# Altium PCB Goldstrike1_Rev01.PcbDoc (part 5 of 7)
Units mm, origin at the board's own origin, x right, y up, seen from the top; angles counter-clockwise.
Board outline 119.3 x 255 mm, 4 copper layers (L1, L2, L3, L4), stack 1.577 mm thick; 722 components, 224 nets, 4532 pads, 1329 vias.
Unrouted connection lines stored in the file: 147.
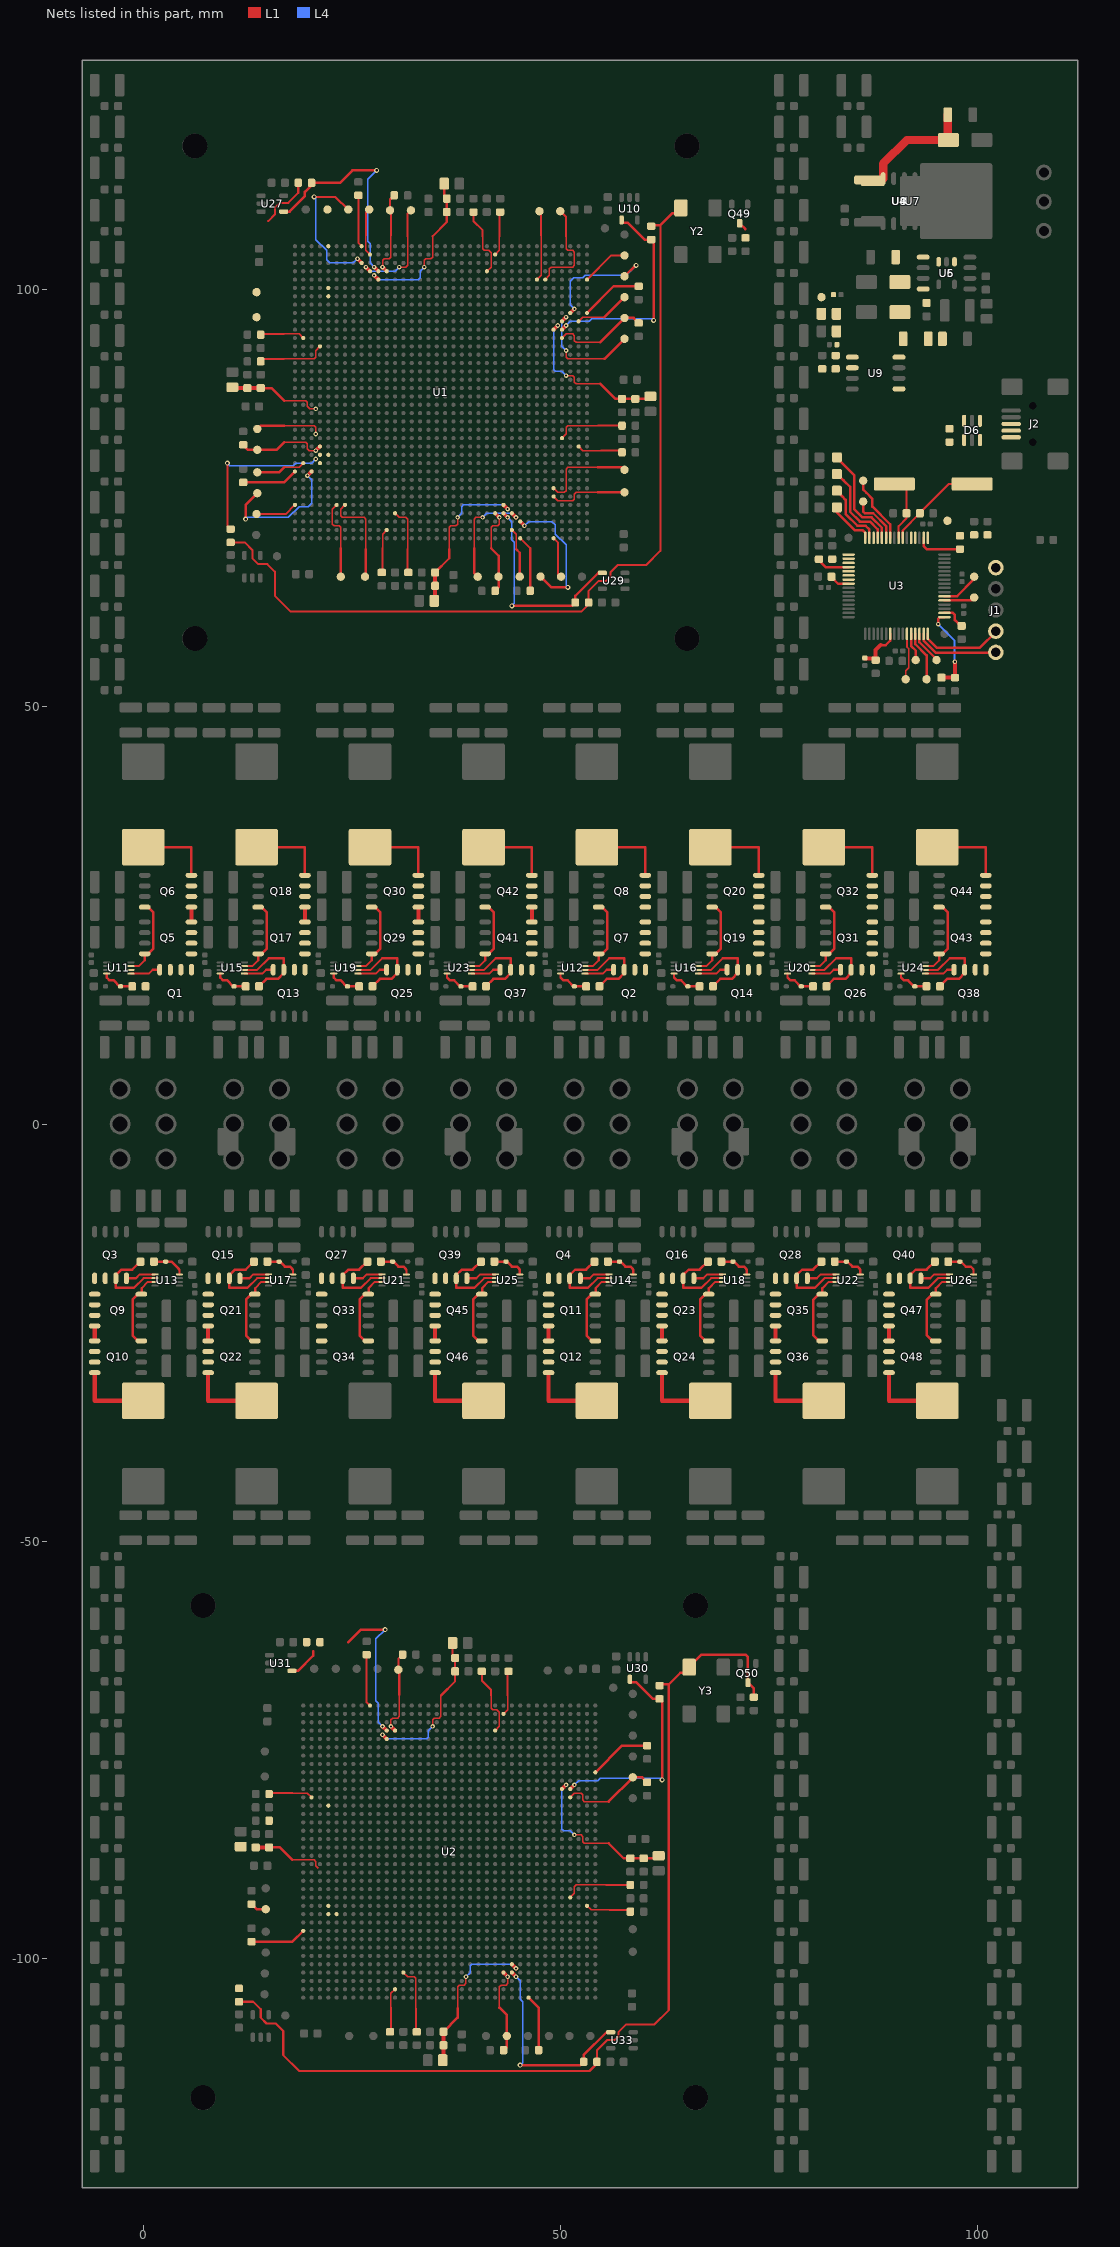
[diagram p7: the nets of this part, all layers, seen from the top]

## Via types
v1: diameter 0.6/0.6/0.6 (per signal layer), hole 0.3, L1 to L4, 672 vias
v2: diameter 0.55/0.55/0.55 (per signal layer), hole 0.25, L1 to L4, 657 vias

## Nets (pads, with @x,y where several pads share a name; then routed paths per layer and width w, separated by ;. In a path a pad name is that pad's centre, name@x,y a point inside that pad or via, vN(x,y) a via of type N, cw(c..) or ccw(c..) an arc to the next point about the centre after c; other vN are vias at no path point) (continued)
$1I69\$1N3734: R32.2 TP83.1 U2.AN25 | length 10.3
  L1 w0.15: v2(29.7,-72.2) 29.7,-71.4 29.9,-71.2 30.5,-71.2 30.7,-71 30.7,-68.4
  L1 w0.25: 30.7,-68.4 30.7,-65.504 30.648,-65.452 30.648,-65.448 TP83.1@30.6,-65.4 30.6,-64.1 R32.2@31.1,-63.6
  L1 w0.45: v2(29.7,-72.2) U2.AN25@30.2,-72.7
$1I69\$1N3735: R33.2 TP84.1 U2.M33 | length 1.9
  L1 w0.3: R33.2@13,-93.5 13.6,-94.1 TP84.1@14.7,-94.1
$1I69\$1N3736: R34.2 TP85.1 U2.D12 | length 10.8
  L1 w0.15: 42.7,-105.9 42.7,-103.4 42.9,-103.2 43.5,-103.2 43.7,-103 v2(43.7,-102.2)
  L1 w0.3: 42.7,-105.9 43.6,-106.8 TP85.1@43.6,-109.3 43.6,-110.6 R34.2@43.2,-111
  L1 w0.45: U2.D12@43.2,-101.7 v2(43.7,-102.2)
$1I69\$1N3763: R31.2 TP82.1 U2.AE4 | length 11.6
  L1 w0.15: U2.AE4@51.2,-80.7 51.7,-80.2 52.5,-80.2 52.7,-80.4 52.7,-81 52.9,-81.2 55.8,-81.2
  L1 w0.3: 55.8,-81.2 TP82.1@58.7,-78.3 59.8,-78.3 R31.2@60.4,-78.9
$1I69\ANAVDD_PLL_5: C156.1 C157.1 FB6.2 U2.AF5 | length 19.7
  L1 w0.15: v2(51.7,-85.2) 52.5,-85.2 52.7,-85.4 52.7,-86 52.9,-86.2 55.8,-86.2
  L1 w0.3: 55.8,-86.2 57.6,-88 C156.1@58.4,-88 C157.1@60,-88 61.5,-88 FB6.2@61.8,-87.7
  L1 w0.45: U2.AF5@50.2,-79.7 v2(50.7,-79.2)
  L4 w0.15: v2(50.7,-79.2) 50.2,-79.7 50.2,-84.5 50.4,-84.7 51.2,-84.7 v2(51.7,-85.2)
$1I69\ANAVDD_PLL_6: C158.1 C159.1 FB8.2 U2.AM26 | length 19.6
  L1 w0.15: v2(34.7,-72.2) 34.7,-71.4 34.9,-71.2 35.5,-71.2 35.7,-71 35.7,-68.5
  L1 w0.25: 35.7,-68.5 37.4,-66.8 C159.1@37.4,-65.6 C158.1@37.4,-64 37.1,-63.7 FB8.2@37.1,-62.2
  L1 w0.45: v2(28.7,-73.2) U2.AM26@29.2,-73.7
  L4 w0.15: v2(28.7,-73.2) 29.2,-73.7 34,-73.7 34.2,-73.5 34.2,-72.7 v2(34.7,-72.2)
$1I69\ANAVDD_PLL_7: C160.1 C161.1 FB7.2 U2.L32 | length 8.8
  L1 w0.15: 17.9,-88.2 20.5,-88.2 20.7,-88.4 20.7,-88.9 21,-89.2
  L1 w0.3: C160.1@15.1,-86.7 16.4,-86.7 17.9,-88.2
  L1 w0.5: C161.1@13.5,-86.7 C160.1@15.1,-86.7
$1I69\ANAVDD_PLL_8: C162.1 C163.1 FB9.2 U2.E11 | length 19.6
  L1 w0.15: 37.7,-106 37.7,-103.4 37.9,-103.2 38.5,-103.2 38.7,-103 v2(38.7,-102.2)
  L1 w0.3: C162.1@36,-108.8 37.7,-107.1 37.7,-106
  L1 w0.45: U2.E11@44.2,-100.7 v2(44.7,-101.2)
  L1 w0.5: FB9.2@35.9,-112.2 36,-112.2 C163.1@36,-110.4 C162.1@36,-108.8
  L4 w0.15: v2(38.7,-102.2) 39.2,-101.7 39.2,-100.9 39.4,-100.7 44.2,-100.7 v2(44.7,-101.2)
$1I69\JTG_TRST_L_21: R1.1 U2.AR12 | length 5.4
  L1 w0.15: U2.AR12@43.2,-70.7 43.7,-70.2 43.7,-68.5
  L1 w0.25: 43.7,-68.5 43.7,-65.6 R1.1@43.8,-65.6
$1I69\JTG_TRST_L_22: R48.1 U2.AE35 | length 5.5
  L1 w0.15: 17.9,-80.2 19.7,-80.2 U2.AE35@20.2,-80.7
  L1 w0.25: R48.1@15.1,-80.3 15,-80.2 17.9,-80.2
$1I69\JTG_TRST_L_23: R47.1 U2.B25 | length 5.7
  L1 w0.15: 29.7,-105.9 29.7,-104.2 U2.B25@30.2,-103.7
  L1 w0.25: R47.1@29.6,-108.8 29.7,-109 29.7,-105.9
$1I69\JTG_TRST_L_24: R49.1 U2.M2 | length 5.7
  L1 w0.15: U2.M2@53.2,-93.7 53.7,-94.2 55.9,-94.2
  L1 w0.25: 55.9,-94.2 58.5,-94.2 R49.1@58.4,-94.4
$1I69\PLL_BYPASS_IN_21: R2.1 U2.AH1 | length 7.5
  L1 w0.3: U2.AH1@54.2,-77.7 57.4,-74.5 R2.1@60.4,-74.5
$1I69\PLL_BYPASS_IN_22: R41.1 U2.AT28 | length 6.3
  L1 w0.25: R41.1@26.8,-63.6 26.8,-69.3 U2.AT28@27.2,-69.7
$1I69\PLL_BYPASS_IN_23: R43.1 U2.J36 | length 6.7
  L1 w0.3: R43.1@13,-98 17.9,-98 U2.J36@19.2,-96.7
$1I69\PLL_BYPASS_IN_24: R45.1 U2.A9 | length 6.8
  L1 w0.3: U2.A9@46.2,-104.7 47.4,-105.9 R45.1@47.4,-111
$1I69\PLL_OSC_CLK_2: Q50.3 R55.1 R56.2 R57.1 R58.1 R59.1 Y3.3 | length 118.2
  L1 w0.25: R58.1@11.5,-105.2 13.2,-105.2 14.1,-106.1 14.1,-107.1 14.8,-107.8 15.9,-107.8 16.8,-108.7 16.8,-111.6 18.7,-113.5 53.5,-113.5 54.4,-112.6 54.4,-111 55.6,-109.8 56.5,-109.8 57,-109.3 57,-108.8 57.9,-107.9 61.3,-107.9 63,-106.2 63,-67.172
  L1 w0.3: R55.1@61.9,-67.3 62.028,-67.172 63,-67.172 64.405,-65.767 65.45,-65.767 Y3.3@65.45,-65.1 66.95,-63.6 72.2,-63.6 72.5,-63.9 Q50.3@72.5,-66.95 73.2,-67.65 R56.2@73.2,-68.7
$1I69\PLL_REF_CLK_21: R55.2 U2.AF4 U30.4 | length 26.2
  L1 w0.3: U30.4@58.35,-66.55 58.35,-66.9 59.1,-66.9 61.1,-68.9 R55.2@61.9,-68.9 62.2,-69.2 v1(62.2,-78.6)
  L1 w0.45: U2.AF4@51.2,-79.7 v2(51.7,-79.2)
  L4 w0.15: v2(51.7,-79.2) 52.2,-78.7 54.5,-78.7 54.8,-78.4 62,-78.4 v1(62.2,-78.6)
$1I69\PLL_REF_CLK_22: R57.2 U2.AN26 U31.4 | length 21.9
  L1 w0.3: U31.4@17.85,-65.55 18.55,-65.55 20.4,-63.7 20.4,-63.2 ; 24.598,-62.1 24.599,-62.099 24.601,-62.099 26.099,-60.601 v1(29,-60.6) v1(29,-60.6)
  L1 w0.45: v2(28.7,-72.2) U2.AN26@29.2,-72.7
  L4 w0.15: v2(28.7,-72.2) 28.2,-71.7 28.2,-69.4 27.9,-69.1 27.9,-61.7 v1(29,-60.6)
$1I69\PLL_REF_CLK_23: R58.2 U2.L33
$1I69\PLL_REF_CLK_24: R59.2 U2.D11 U33.4 | length 24.7
  L1 w0.3: v1(45.2,-112.8) 52.4,-112.8 R59.2@52.8,-112.4 52.8,-111.6 55.55,-108.85 U33.4@56.05,-108.85
  L1 w0.45: U2.D11@44.2,-101.7 v2(44.7,-102.2)
  L4 w0.15: v2(44.7,-102.2) 45.2,-102.7 45.2,-104.9 45.5,-105.2 45.5,-112.495 v1(45.2,-112.8)
$1I69\TEST_MODE_21: R23.1 U2.AN13 | length 8.5
  L1 w0.15: 41.7,-68.5 41.7,-70 41.9,-70.2 42.4,-70.2 42.7,-70.5 42.7,-72.2 U2.AN13@42.2,-72.7
  L1 w0.25: R23.1@40.6,-65.6 40.6,-66.7 41.7,-67.8 41.7,-68.5
$1I69\TEST_MODE_22: R42.1 U2.AD33
$1I69\TEST_MODE_23: R44.1 U2.D24 | length 8.6
  L1 w0.15: U2.D24@31.2,-101.7 31.7,-102.2 32.5,-102.2 32.7,-102.4 32.7,-106
  L1 w0.25: 32.7,-106 32.7,-109 R44.1@32.8,-108.8
$1I69\TEST_MODE_24: R46.1 U2.N4 | length 8.3
  L1 w0.15: U2.N4@51.2,-92.7 51.7,-92.2 51.7,-91.4 51.9,-91.2 55.5,-91.2
  L1 w0.25: 55.5,-91.2 R46.1@58.4,-91.2
$1I79\$1N2693: TP6.1 U3.13 | length 6
  L1 w0.3: U3.13@92.55,58.75 92.55,57.512 93.9,56.162 TP6.1@93.9,53.3
$1I79\$1N2694: TP7.1 U3.14 | length 4
  L1 w0.3: U3.14@93.05,58.75 93.05,57.735 95.142,55.642 TP7.1@95.1,55.6
$1I79\$1N2711: TP10.1 U3.21 | length 3.7
  L1 w0.3: U3.21@96.05,62.75 99.3,62.75 99.3,62.8 TP10.1@99.6,63.1
$1I79\$1N2712: TP11.1 U3.22 | length 4.7
  L1 w0.3: U3.22@96.05,63.25 97.55,63.25 99.6,65.3 TP11.1@99.6,65.6
$1I79\$1N2761: TP12.1 U3.43 | length 6.1
  L1 w0.3: TP12.1@86.3,74.6 86.3,73.4 86.5,73.2 87.514,73.2 89.05,71.664 U3.43@89.05,70.25
$1I79\$1N2762: TP13.1 U3.42 | length 8.2
  L1 w0.3: TP13.1@86.3,77.1 86.3,76.041 86.691,75.65 87.421,74.919 87.421,74 89.55,71.871 U3.42@89.55,70.25
$1I79\$1N2845: TP21.1 U3.33
$1I79\$1N2890: R16.2 R17.1 U9.2
$1I79\$1N2899: TP3.1 U3.11 | length 5.7
  L1 w0.2: TP3.1@91.4,53.3 91.4,54.321 91.75,54.671 91.75,56.958 91.55,57.158 U3.11@91.55,58.75
$1I79\$1N2900: TP5.1 U3.12 | length 3.4
  L1 w0.3: U3.12@92.05,58.75 92.05,57.297 92.6,56.747 TP5.1@92.6,55.6
$1I79\D+: D6.1 J2.3 U3.37
$1I79\D-: D6.3 J2.2 U3.36
$1I79\FB: C3.1 R6.1 U3.17 | length 10.4
  L1 w0.3: v2(95.3,59.9) 95.275,59.925 95.275,60.525 95.5,60.75 U3.17@96.05,60.75
  L1 w0.5: C3.1@95.7,53.5 R6.1@97.3,53.5 v2(97.3,55.4)
  L4 w0.25: v2(95.3,59.9) 97.229,57.971 97.229,55.4 v2(97.3,55.4)
$1I79\GREEN: D2.2 U3.47 | length 7.9
  L1 w0.3: D2.2@83.15,75.9 83.125,75.9 83.125,75.875 83.354,75.646 83.75,75.25 84.2,74.8 84.2,73.1 85.6,71.7 86.6,71.7 87.05,71.25 U3.47@87.05,70.25
$1I79\LDO3.3V-5.0V: R14.1 R15.1 U9.5 U9.8
$1I79\LDO5.0V: C15.1 D5.1 D7.2 R11.1 R12.2 R15.2 U5.1 U5.3 U6.5 U6.8
$1I79\LM12V: D8.1 R13.1 U4.8 U7.1 U8.1 | length 16
  L1 w0.3: U7.1@87.1,113.14 87.2,113.14 U8.1@87.45,112.89
  L1 w1: U8.1@87.2,113.14 88.265,113.14 88.4,113.005 U4.8@88.695,113.3 88.7,113.305 88.7,115.1 91.53,117.93 D8.1@96.524,117.93 96.443,118.011 R13.1@96.443,120.966
$1I79\MAIN_OSC_IN: C10.1 U3.39 Y1.1 | length 11.5
  L1 w0.25: U3.39@91.05,70.25 91.05,71.125 93.1,73.175 93.1,73.225 96.575,76.7 Y1.1@99.35,76.7
$1I79\MAIN_OSC_OUT: C11.1 U3.40 Y1.2 | length 8.3
  L1 w0.25: Y1.2@90.05,76.7 91.5,76.7 C11.1@91.5,73.2 91.5,72.6 90.55,71.65 U3.40@90.55,70.25
$1I79\MCLR: C5.1 J1.1 R9.1 U3.7 | length 5.6
  L1 w0.3: 88.4,57.4 89.007,57.4 89.55,57.943 U3.7@89.55,58.75
  L1 w0.5: C5.1@86.5,55.85 86.5,55.792 R9.1@87.8,55.792 ; R9.1@87.8,55.6 R9.1@87.8,55.792 ; 88.4,57.4 87.8,56.8 R9.1@87.8,55.792
$1I79\MCU5.0V: R10.2 U3.34 | length 5.5
  L1 w0.3: U3.34@93.55,70.25 93.55,69.25 93.9,68.9 R10.2@97.9,68.9
$1I79\MCU_REF_CLK_1: R7.1 U3.52 U3.53 U3.54 U3.55 | length 4
  L1 w0.3: R7.1@81,67.7 81,67.55 81.8,66.75 U3.52@84.55,66.75
$1I79\MCU_REF_CLK_2: R18.1 U3.46 U3.49 U3.50 U3.51
$1I79\MEAS12: C1.1 R4.2 R5.2 U3.18 | length 3.2
  L1 w0.3: U3.18@96.05,61.25 97.05,61.25 97.287,61.013 97.287,60.388 98.037,59.638 98.075,59.6 C1.1@98.1,59.7
$1I79\ORANGE: D4.2 U3.45 | length 10.5
  L1 w0.3: D4.2@83.15,77.9 83.18,77.9 83.18,77.93 83.968,77.142 84.75,76.36 84.75,75.25 84.75,73.35 85.9,72.2 87.1,72.2 88.05,71.25 U3.45@88.05,70.25
$1I79\PGC: J1.5 U3.15 | length 10.1
  L1 w0.3: U3.15@93.55,58.75 93.55,57.943 94.993,56.5 102.18,56.5 J1.5@102.2,56.52
$1I79\PGD: J1.4 U3.16 | length 10
  L1 w0.3: U3.16@94.05,58.75 94.05,58.15 95.1,57.1 100.3,57.1 102.2,59 J1.4@102.2,59.06
$1I79\PLL_SUP: C16.1 C17.1 FB5.1 R16.1 U9.1
$1I79\RED: D1.2 U3.48 | length 5.6
  L1 w0.3: D1.2@83.15,73.9 83.15,73.3 85.317,71.133 86.267,71.133 86.55,70.85 U3.48@86.55,70.25
$1I79\USB5.0V: D6.4 D6.6 J2.1 R10.1 R11.2
$1I79\VCAP: C2.1 U3.56 | length 2.4
  L1 w0.3: C2.1@82.5,65.6 82.5,65.55 83.3,64.75 U3.56@84.55,64.75
$1I79\VDD_PLL: C18.1 FB5.2 TP2.1
$1I79\YELLOW: D3.2 U3.44 | length 12.6
  L1 w0.3: D3.2@83.15,79.9 83.115,79.9 83.115,79.865 83.902,79.077 85.25,77.73 85.25,75.25 85.25,73.65 86.2,72.7 87.307,72.7 88.55,71.457 U3.44@88.55,70.25
$1I84\BOOT1: C28.1 D10.1 U11.8 | length 4
  L1 w0.25: -4.35,17.55 U11.8@-4.35,18.025
  L1 w0.3: -4.35,17.55 -4,17.2 -3.5,17.2 -2.8,16.5 D10.1@-2.7,16.5 C28.1@-1.3,16.5
$1I84\BOOT2: C60.1 D14.1 U15.8 | length 4
  L1 w0.25: 9.25,17.55 U15.8@9.25,18.025
  L1 w0.3: 9.25,17.55 9.6,17.2 10.1,17.2 10.8,16.5 D14.1@10.9,16.5 C60.1@12.3,16.5
$1I84\BOOT3: C92.1 D18.1 U19.8 | length 4
  L1 w0.25: 22.85,17.55 U19.8@22.85,18.025
  L1 w0.3: 22.85,17.55 23.2,17.2 23.7,17.2 24.4,16.5 D18.1@24.5,16.5 C92.1@25.9,16.5
$1I84\BOOT4: C124.1 D22.1 U23.8 | length 4
  L1 w0.25: 36.45,17.55 U23.8@36.45,18.025
  L1 w0.3: 36.45,17.55 36.8,17.2 37.3,17.2 38,16.5 D22.1@38.1,16.5 C124.1@39.5,16.5
$1I84\BOOT5: C29.1 D11.1 U12.8 | length 4
  L1 w0.25: 50.05,17.55 U12.8@50.05,18.025
  L1 w0.3: 50.05,17.55 50.4,17.2 50.9,17.2 51.6,16.5 D11.1@51.7,16.5 C29.1@53.1,16.5
$1I84\BOOT6: C61.1 D15.1 U16.8 | length 4
  L1 w0.25: 63.65,17.55 U16.8@63.65,18.025
  L1 w0.3: 63.65,17.55 64,17.2 64.5,17.2 65.2,16.5 D15.1@65.3,16.5 C61.1@66.7,16.5
$1I84\BOOT7: C93.1 D19.1 U20.8 | length 4
  L1 w0.25: 77.25,17.55 U20.8@77.25,18.025
  L1 w0.3: 77.25,17.55 77.6,17.2 78.1,17.2 78.8,16.5 D19.1@78.9,16.5 C93.1@80.3,16.5
$1I84\BOOT8: C125.1 D23.1 U24.8 | length 4
  L1 w0.25: 90.85,17.55 U24.8@90.85,18.025
  L1 w0.3: 90.85,17.55 91.2,17.2 91.7,17.2 92.4,16.5 D23.1@92.5,16.5 C125.1@93.9,16.5
$1I84\BOOT9: C30.1 D12.1 U13.8 | length 4
  L1 w0.25: 4.3,-17.4 4.35,-17.45 U13.8@4.35,-18.025
  L1 w0.3: C30.1@1.3,-16.5 D12.1@2.7,-16.5 3.4,-16.5 4.3,-17.4
$1I84\BOOT10: C62.1 D16.1 U17.8 | length 4
  L1 w0.25: 17.9,-17.4 17.95,-17.45 U17.8@17.95,-18.025
  L1 w0.3: C62.1@14.9,-16.5 D16.1@16.3,-16.5 16.4,-16.5 17,-17.1 17.6,-17.1 17.9,-17.4
$1I84\BOOT11: C94.1 D20.1 U21.8 | length 4
  L1 w0.25: 31.5,-17.4 31.55,-17.45 U21.8@31.55,-18.025
  L1 w0.3: C94.1@28.5,-16.5 D20.1@29.9,-16.5 30,-16.5 30.6,-17.1 31.2,-17.1 31.5,-17.4
$1I84\BOOT12: C126.1 D24.1 U25.8 | length 4
  L1 w0.25: 45.1,-17.4 45.15,-17.45 U25.8@45.15,-18.025
  L1 w0.3: C126.1@42.1,-16.5 D24.1@43.5,-16.5 43.6,-16.5 44.2,-17.1 44.8,-17.1 45.1,-17.4
$1I84\BOOT13: C31.1 D13.1 U14.8 | length 4
  L1 w0.25: 58.7,-17.4 58.75,-17.45 U14.8@58.75,-18.025
  L1 w0.3: C31.1@55.7,-16.5 D13.1@57.1,-16.5 57.2,-16.5 57.8,-17.1 58.4,-17.1 58.7,-17.4
$1I84\BOOT14: C63.1 D17.1 U18.8 | length 4
  L1 w0.25: 72.3,-17.4 72.35,-17.45 U18.8@72.35,-18.025
  L1 w0.3: C63.1@69.3,-16.5 D17.1@70.7,-16.5 70.8,-16.5 71.4,-17.1 72,-17.1 72.3,-17.4
$1I84\BOOT15: C95.1 D21.1 U22.8 | length 4
  L1 w0.25: 85.9,-17.4 85.95,-17.45 U22.8@85.95,-18.025
  L1 w0.3: C95.1@82.9,-16.5 D21.1@84.3,-16.5 84.4,-16.5 85,-17.1 85.6,-17.1 85.9,-17.4
$1I84\BOOT16: C127.1 D25.1 U26.8 | length 4
  L1 w0.25: 99.5,-17.4 99.55,-17.45 U26.8@99.55,-18.025
  L1 w0.3: C127.1@96.5,-16.5 D25.1@97.9,-16.5 98,-16.5 98.6,-17.1 99.2,-17.1 99.5,-17.4
$1I84\HO1: Q1.4 U11.1 | length 3.6
  L1 w0.25: U11.1@-1.45,18.025 0.7,18.025 1.175,18.5
  L1 w0.3: 1.175,18.5 Q1.4@1.995,18.5
$1I84\HO2: Q13.4 U15.1 | length 3.6
  L1 w0.25: U15.1@12.15,18.025 14.3,18.025 14.775,18.5
  L1 w0.3: 14.775,18.5 Q13.4@15.595,18.5
$1I84\HO3: Q25.4 U19.1 | length 3.6
  L1 w0.25: U19.1@25.75,18.025 27.9,18.025 28.375,18.5
  L1 w0.3: 28.375,18.5 Q25.4@29.195,18.5
$1I84\HO4: Q37.4 U23.1 | length 3.6
  L1 w0.25: U23.1@39.35,18.025 41.5,18.025 41.975,18.5
  L1 w0.3: 41.975,18.5 Q37.4@42.795,18.5
$1I84\HO5: Q2.4 U12.1 | length 3.6
  L1 w0.25: U12.1@52.95,18.025 55.1,18.025 55.575,18.5
  L1 w0.3: 55.575,18.5 Q2.4@56.395,18.5
$1I84\HO6: Q14.4 U16.1 | length 3.6
  L1 w0.25: U16.1@66.55,18.025 68.7,18.025 69.175,18.5
  L1 w0.3: 69.175,18.5 Q14.4@69.995,18.5
$1I84\HO7: Q26.4 U20.1 | length 3.6
  L1 w0.25: U20.1@80.15,18.025 82.3,18.025 82.775,18.5
  L1 w0.3: 82.775,18.5 Q26.4@83.595,18.5
$1I84\HO8: Q38.4 U24.1 | length 3.6
  L1 w0.25: U24.1@93.75,18.025 95.9,18.025 96.375,18.5
  L1 w0.3: 96.375,18.5 Q38.4@97.195,18.5
$1I84\HO9: Q3.4 U13.1 | length 3.6
  L1 w0.25: -0.85,-18.5 -0.375,-18.025 U13.1@1.45,-18.025
  L1 w0.3: Q3.4@-1.995,-18.5 -0.85,-18.5
$1I84\HO10: Q15.4 U17.1 | length 3.6
  L1 w0.25: 12.75,-18.5 13.225,-18.025 U17.1@15.05,-18.025
  L1 w0.3: Q15.4@11.605,-18.5 12.75,-18.5
$1I84\HO11: Q27.4 U21.1 | length 3.6
  L1 w0.25: 26.35,-18.5 26.825,-18.025 U21.1@28.65,-18.025
  L1 w0.3: Q27.4@25.205,-18.5 26.35,-18.5
$1I84\HO12: Q39.4 U25.1 | length 3.6
  L1 w0.25: 39.95,-18.5 40.425,-18.025 U25.1@42.25,-18.025
  L1 w0.3: Q39.4@38.805,-18.5 39.95,-18.5
$1I84\HO13: Q4.4 U14.1 | length 3.6
  L1 w0.25: 53.55,-18.5 54.025,-18.025 U14.1@55.85,-18.025
  L1 w0.3: Q4.4@52.405,-18.5 53.55,-18.5
$1I84\HO14: Q16.4 U18.1 | length 3.6
  L1 w0.25: 67.15,-18.5 67.625,-18.025 U18.1@69.45,-18.025
  L1 w0.3: Q16.4@66.005,-18.5 67.15,-18.5
$1I84\HO15: Q28.4 U22.1 | length 3.6
  L1 w0.25: 80.75,-18.5 81.225,-18.025 U22.1@83.05,-18.025
  L1 w0.3: Q28.4@79.605,-18.5 80.75,-18.5
$1I84\HO16: Q40.4 U26.1 | length 3.6
  L1 w0.25: 94.35,-18.5 94.825,-18.025 U26.1@96.65,-18.025
  L1 w0.3: Q40.4@93.205,-18.5 94.35,-18.5
$1I84\LO1: Q5.4 Q6.4 U11.3 | length 9.6
  L1 w0.25: U11.3@-1.45,18.925 -0.5,18.925 0.2,19.625
  L1 w0.3: 0.2,19.625 Q5.4@0.2,20.395 0.6,20.395 1.25,21.045 1.25,25.345 0.6,25.995 Q6.4@0.2,25.995
$1I84\LO2: Q17.4 Q18.4 U15.3 | length 9.6
  L1 w0.25: U15.3@12.15,18.925 13.1,18.925 13.8,19.625
  L1 w0.3: 13.8,19.625 Q17.4@13.8,20.395 14.2,20.395 14.85,21.045 14.85,25.345 14.2,25.995 Q18.4@13.8,25.995
$1I84\LO3: Q29.4 Q30.4 U19.3 | length 9.6
  L1 w0.25: U19.3@25.75,18.925 26.7,18.925 27.4,19.625
  L1 w0.3: 27.4,19.625 Q29.4@27.4,20.395 27.8,20.395 28.45,21.045 28.45,25.345 27.8,25.995 Q30.4@27.4,25.995
$1I84\LO4: Q41.4 Q42.4 U23.3 | length 9.6
  L1 w0.25: U23.3@39.35,18.925 40.3,18.925 41,19.625
  L1 w0.3: 41,19.625 Q41.4@41,20.395 41.4,20.395 42.05,21.045 42.05,25.345 41.4,25.995 Q42.4@41,25.995
$1I84\LO5: Q7.4 Q8.4 U12.3 | length 9.6
  L1 w0.25: U12.3@52.95,18.925 53.9,18.925 54.6,19.625
  L1 w0.3: 54.6,19.625 Q7.4@54.6,20.395 55,20.395 55.65,21.045 55.65,25.345 55,25.995 Q8.4@54.6,25.995
$1I84\LO6: Q19.4 Q20.4 U16.3 | length 9.6
  L1 w0.25: U16.3@66.55,18.925 67.5,18.925 68.2,19.625
  L1 w0.3: 68.2,19.625 Q19.4@68.2,20.395 68.6,20.395 69.25,21.045 69.25,25.345 68.6,25.995 Q20.4@68.2,25.995
$1I84\LO7: Q31.4 Q32.4 U20.3 | length 9.6
  L1 w0.25: U20.3@80.15,18.925 81.1,18.925 81.8,19.625
  L1 w0.3: 81.8,19.625 Q31.4@81.8,20.395 82.2,20.395 82.85,21.045 82.85,25.345 82.2,25.995 Q32.4@81.8,25.995
$1I84\LO8: Q43.4 Q44.4 U24.3 | length 9.6
  L1 w0.25: U24.3@93.75,18.925 94.7,18.925 95.4,19.625
  L1 w0.3: 95.4,19.625 Q43.4@95.4,20.395 95.8,20.395 96.45,21.045 96.45,25.345 95.8,25.995 Q44.4@95.4,25.995
$1I84\LO9: Q9.4 Q10.4 U13.3 | length 9.6
  L1 w0.25: -0.175,-19.675 0.575,-18.925 U13.3@1.45,-18.925
  L1 w0.3: Q10.4@-0.2,-25.995 -0.6,-25.995 -1.25,-25.345 -1.25,-21.045 -0.6,-20.395 Q9.4@-0.2,-20.395 -0.175,-20.37 -0.175,-19.675
$1I84\LO10: Q21.4 Q22.4 U17.3 | length 9.6
  L1 w0.25: 13.425,-19.675 14.175,-18.925 U17.3@15.05,-18.925
  L1 w0.3: Q22.4@13.4,-25.995 13,-25.995 12.35,-25.345 12.35,-21.045 13,-20.395 Q21.4@13.4,-20.395 13.425,-20.37 13.425,-19.675
$1I84\LO11: Q33.4 Q34.4 U21.3 | length 9.6
  L1 w0.25: 27.025,-19.675 27.775,-18.925 U21.3@28.65,-18.925
  L1 w0.3: Q34.4@27,-25.995 26.6,-25.995 25.95,-25.345 25.95,-21.045 26.6,-20.395 Q33.4@27,-20.395 27.025,-20.37 27.025,-19.675
$1I84\LO12: Q45.4 Q46.4 U25.3 | length 9.6
  L1 w0.25: 40.625,-19.675 41.375,-18.925 U25.3@42.25,-18.925
  L1 w0.3: Q46.4@40.6,-25.995 40.2,-25.995 39.55,-25.345 39.55,-21.045 40.2,-20.395 Q45.4@40.6,-20.395 40.625,-20.37 40.625,-19.675
$1I84\LO13: Q11.4 Q12.4 U14.3 | length 9.6
  L1 w0.25: 54.225,-19.675 54.975,-18.925 U14.3@55.85,-18.925
  L1 w0.3: Q12.4@54.2,-25.995 53.8,-25.995 53.15,-25.345 53.15,-21.045 53.8,-20.395 Q11.4@54.2,-20.395 54.225,-20.37 54.225,-19.675
$1I84\LO14: Q23.4 Q24.4 U18.3 | length 9.6
  L1 w0.25: 67.825,-19.675 68.575,-18.925 U18.3@69.45,-18.925
  L1 w0.3: Q24.4@67.8,-25.995 67.4,-25.995 66.75,-25.345 66.75,-21.045 67.4,-20.395 Q23.4@67.8,-20.395 67.825,-20.37 67.825,-19.675
$1I84\LO15: Q35.4 Q36.4 U22.3 | length 9.6
  L1 w0.25: 81.425,-19.675 82.175,-18.925 U22.3@83.05,-18.925
  L1 w0.3: Q36.4@81.4,-25.995 81,-25.995 80.35,-25.345 80.35,-21.045 81,-20.395 Q35.4@81.4,-20.395 81.425,-20.37 81.425,-19.675
$1I84\LO16: Q47.4 Q48.4 U26.3 | length 9.6
  L1 w0.25: 95.025,-19.675 95.775,-18.925 U26.3@96.65,-18.925
  L1 w0.3: Q48.4@95,-25.995 94.6,-25.995 93.95,-25.345 93.95,-21.045 94.6,-20.395 Q47.4@95,-20.395 95.025,-20.37 95.025,-19.675
$1I84\SWN1: C28.2 L1.1 Q1.1 Q1.2 Q1.3 Q5.5 Q5.6 Q5.7 Q5.8 Q6.5 Q6.6 Q6.7 Q6.8 U11.2 | length 11
  L1 w0.3: L1.1@0,33.175 5.8,33.175 Q6.8@5.8,29.805
  L1 w0.5: Q5.8@5.8,24.205 Q6.5@5.8,25.995
$1I84\SWN2: C60.2 L5.1 Q13.1 Q13.2 Q13.3 Q17.5 Q17.6 Q17.7 Q17.8 Q18.5 Q18.6 Q18.7 Q18.8 U15.2 | length 21.7
  L1 w0.25: U15.2@12.15,18.475 13.675,18.475 15.087,19.887
  L1 w0.3: L5.1@13.6,33.175 19.4,33.175 Q18.8@19.4,29.805 ; C60.2@13.9,16.5 13.9,16.525 14.775,17.4 16.165,17.4 16.865,18.1 Q13.3@16.865,18.5 16.865,19.887 15.087,19.887
  L1 w0.5: Q17.8@19.4,24.205 Q18.5@19.4,25.995
$1I84\SWN3: C92.2 L9.1 Q25.1 Q25.2 Q25.3 Q29.5 Q29.6 Q29.7 Q29.8 Q30.5 Q30.6 Q30.7 Q30.8 U19.2 | length 21.7
  L1 w0.25: U19.2@25.75,18.475 27.275,18.475 28.687,19.887
  L1 w0.3: L9.1@27.2,33.175 33,33.175 Q30.8@33,29.805 ; C92.2@27.5,16.5 27.5,16.525 28.375,17.4 29.765,17.4 30.465,18.1 Q25.3@30.465,18.5 30.465,19.887 28.687,19.887
  L1 w0.5: Q29.8@33,24.205 Q30.5@33,25.995
$1I84\SWN4: C124.2 L13.1 Q37.1 Q37.2 Q37.3 Q41.5 Q41.6 Q41.7 Q41.8 Q42.5 Q42.6 Q42.7 Q42.8 U23.2 | length 21.7
  L1 w0.25: U23.2@39.35,18.475 40.875,18.475 42.287,19.887
  L1 w0.3: L13.1@40.8,33.175 46.6,33.175 Q42.8@46.6,29.805 ; C124.2@41.1,16.5 41.1,16.525 41.975,17.4 43.365,17.4 44.065,18.1 Q37.3@44.065,18.5 44.065,19.887 42.287,19.887
  L1 w0.5: Q41.8@46.6,24.205 Q42.5@46.6,25.995
$1I84\SWN5: C29.2 L2.1 Q2.1 Q2.2 Q2.3 Q7.5 Q7.6 Q7.7 Q7.8 Q8.5 Q8.6 Q8.7 Q8.8 U12.2 | length 19.9
  L1 w0.25: U12.2@52.95,18.475 54.475,18.475 55.887,19.887
  L1 w0.3: L2.1@54.4,33.175 60.2,33.175 Q8.8@60.2,29.805 ; C29.2@54.7,16.5 54.7,16.525 55.575,17.4 56.965,17.4 57.665,18.1 Q2.3@57.665,18.5 57.665,19.887 55.887,19.887
$1I84\SWN6: C61.2 L6.1 Q14.1 Q14.2 Q14.3 Q19.5 Q19.6 Q19.7 Q19.8 Q20.5 Q20.6 Q20.7 Q20.8 U16.2 | length 19.9
  L1 w0.25: U16.2@66.55,18.475 68.075,18.475 69.487,19.887
  L1 w0.3: L6.1@68,33.175 73.8,33.175 Q20.8@73.8,29.805 ; C61.2@68.3,16.5 68.3,16.525 69.175,17.4 70.565,17.4 71.265,18.1 Q14.3@71.265,18.5 71.265,19.887 69.487,19.887
$1I84\SWN7: C93.2 L10.1 Q26.1 Q26.2 Q26.3 Q31.5 Q31.6 Q31.7 Q31.8 Q32.5 Q32.6 Q32.7 Q32.8 U20.2 | length 19.9
  L1 w0.25: U20.2@80.15,18.475 81.675,18.475 83.087,19.887
  L1 w0.3: L10.1@81.6,33.175 87.4,33.175 Q32.8@87.4,29.805 ; C93.2@81.9,16.5 81.9,16.525 82.775,17.4 84.165,17.4 84.865,18.1 Q26.3@84.865,18.5 84.865,19.887 83.087,19.887
$1I84\SWN8: C125.2 L14.1 Q38.1 Q38.2 Q38.3 Q43.5 Q43.6 Q43.7 Q43.8 Q44.5 Q44.6 Q44.7 Q44.8 U24.2 | length 19.9
  L1 w0.25: U24.2@93.75,18.475 95.275,18.475 96.687,19.887
  L1 w0.3: L14.1@95.2,33.175 101,33.175 Q44.8@101,29.805 ; C125.2@95.5,16.5 95.5,16.525 96.375,17.4 97.765,17.4 98.465,18.1 Q38.3@98.465,18.5 98.465,19.887 96.687,19.887
$1I84\SWN9: C30.2 L3.1 Q3.1 Q3.2 Q3.3 Q9.5 Q9.6 Q9.7 Q9.8 Q10.5 Q10.6 Q10.7 Q10.8 U13.2 | length 21.3
  L1 w0.25: -1.1,-19.65 0.075,-18.475 U13.2@1.45,-18.475
  L1 w0.3: -1.1,-19.65 -3.265,-19.65 Q3.3@-3.265,-18.5 -3.265,-18.115 -2.6,-17.45 -1.3,-17.45 C30.2@-0.3,-16.5
  L1 w0.5: Q10.8@-5.8,-29.805 -5.8,-33.175 L3.1@0,-33.175 ; Q10.5@-5.8,-25.995 Q9.8@-5.8,-24.205
$1I84\SWN10: C62.2 L7.1 Q15.1 Q15.2 Q15.3 Q21.5 Q21.6 Q21.7 Q21.8 Q22.5 Q22.6 Q22.7 Q22.8 U17.2 | length 21.3
  L1 w0.25: 12.5,-19.65 13.675,-18.475 U17.2@15.05,-18.475
  L1 w0.3: 12.5,-19.65 10.335,-19.65 Q15.3@10.335,-18.5 10.335,-18.115 11,-17.45 12.3,-17.45 C62.2@13.3,-16.5
  L1 w0.5: Q22.8@7.8,-29.805 7.8,-33.175 L7.1@13.6,-33.175 ; Q22.5@7.8,-25.995 Q21.8@7.8,-24.205
$1I84\SWN11: C94.2 Q27.1 Q27.2 Q27.3 Q33.5 Q33.8 Q34.5 U21.2 | length 10.4
  L1 w0.25: 26.1,-19.65 27.275,-18.475 U21.2@28.65,-18.475
  L1 w0.3: 26.1,-19.65 23.935,-19.65 Q27.3@23.935,-18.5 23.935,-18.115 24.6,-17.45 25.9,-17.45 C94.2@26.9,-16.5
$1I84\SWN12: C126.2 L15.1 Q39.1 Q39.2 Q39.3 Q45.5 Q45.6 Q45.7 Q45.8 Q46.5 Q46.6 Q46.7 Q46.8 U25.2 | length 21.3
  L1 w0.25: 39.7,-19.65 40.875,-18.475 U25.2@42.25,-18.475
  L1 w0.3: 39.7,-19.65 37.535,-19.65 Q39.3@37.535,-18.5 37.535,-18.115 38.2,-17.45 39.5,-17.45 C126.2@40.5,-16.5
  L1 w0.5: Q46.8@35,-29.805 35,-33.175 L15.1@40.8,-33.175 ; Q46.5@35,-25.995 Q45.8@35,-24.205
$1I84\SWN13: C31.2 L4.1 Q4.1 Q4.2 Q4.3 Q11.5 Q11.6 Q11.7 Q11.8 Q12.5 Q12.6 Q12.7 Q12.8 U14.2 | length 21.3
  L1 w0.25: 53.3,-19.65 54.475,-18.475 U14.2@55.85,-18.475
  L1 w0.3: 53.3,-19.65 51.135,-19.65 Q4.3@51.135,-18.5 51.135,-18.115 51.8,-17.45 53.1,-17.45 C31.2@54.1,-16.5
  L1 w0.5: Q12.8@48.6,-29.805 48.6,-33.175 L4.1@54.4,-33.175 ; Q12.5@48.6,-25.995 Q11.8@48.6,-24.205
$1I84\SWN14: C63.2 L8.1 Q16.1 Q16.2 Q16.3 Q23.5 Q23.6 Q23.7 Q23.8 Q24.5 Q24.6 Q24.7 Q24.8 U18.2 | length 21.3
  L1 w0.25: 66.9,-19.65 68.075,-18.475 U18.2@69.45,-18.475
  L1 w0.3: 66.9,-19.65 64.735,-19.65 Q16.3@64.735,-18.5 64.735,-18.115 65.4,-17.45 66.7,-17.45 C63.2@67.7,-16.5
  L1 w0.5: Q24.8@62.2,-29.805 62.2,-33.175 L8.1@68,-33.175 ; Q24.5@62.2,-25.995 Q23.8@62.2,-24.205
$1I84\SWN15: C95.2 L12.1 Q28.1 Q28.2 Q28.3 Q35.5 Q35.6 Q35.7 Q35.8 Q36.5 Q36.6 Q36.7 Q36.8 U22.2 | length 21.3
  L1 w0.25: 80.5,-19.65 81.675,-18.475 U22.2@83.05,-18.475
  L1 w0.3: 80.5,-19.65 78.335,-19.65 Q28.3@78.335,-18.5 78.335,-18.115 79,-17.45 80.3,-17.45 C95.2@81.3,-16.5
  L1 w0.5: Q36.8@75.8,-29.805 75.8,-33.175 L12.1@81.6,-33.175 ; Q36.5@75.8,-25.995 Q35.8@75.8,-24.205
$1I84\SWN16: C127.2 L16.1 Q40.1 Q40.2 Q40.3 Q47.5 Q47.6 Q47.7 Q47.8 Q48.5 Q48.6 Q48.7 Q48.8 U26.2 | length 21.3
  L1 w0.25: 94.1,-19.65 95.275,-18.475 U26.2@96.65,-18.475
  L1 w0.3: 94.1,-19.65 91.935,-19.65 Q40.3@91.935,-18.5 91.935,-18.115 92.6,-17.45 93.9,-17.45 C127.2@94.9,-16.5
  L1 w0.5: Q48.8@89.4,-29.805 89.4,-33.175 L16.1@95.2,-33.175 ; Q48.5@89.4,-25.995 Q47.8@89.4,-24.205
$1I89\$1N3656: TP22.1 U1.AM6 | length 12.2
  L1 w0.15: U1.AM6@48.2,101.2 48.7,101.7 48.7,102.5 48.9,102.7 51.5,102.7 51.7,102.9 51.7,104.5 51.5,104.7 50.9,104.7 50.7,104.9 50.7,106.4
  L1 w0.25: TP22.1@50,109.4 50.7,108.7 50.7,106.4
$1I89\$1N3657: TP26.1 U1.AM7 | length 8.5
  L1 w0.15: U1.AM7@47.2,101.2 47.7,101.7 47.7,106.5
  L1 w0.25: TP26.1@47.5,109.4 47.7,109.2 47.7,106.5
$1I89\$1N3658: TP23.1 U1.AL32
$1I89\$1N3659: TP27.1 U1.AK32
$1I89\$1N3660: TP24.1 U1.E31 | length 9.6
  L1 w0.15: U1.E31@23.2,74.2 22.7,73.7 22.7,71.9 22.9,71.7 23.5,71.7 23.7,71.5 23.7,69
  L1 w0.3: TP24.1@23.7,65.6 23.7,69
$1I89\$1N3661: TP28.1 U1.E30 | length 11.6
  L1 w0.15: U1.E30@24.2,74.2 23.7,73.7 23.7,72.9 23.9,72.7 26.5,72.7 26.7,72.5 26.7,68.9
  L1 w0.3: TP28.1@26.6,65.6 26.7,65.7 26.7,68.9
$1I89\$1N3662: TP25.1 U1.F5 | length 9.5
  L1 w0.15: U1.F5@49.2,75.2 49.7,74.7 51.5,74.7 51.7,74.9 51.7,75.5 51.9,75.7 54.5,75.7
  L1 w0.3: 54.5,75.7 TP25.1@57.7,75.7
$1I89\$1N3663: TP29.1 U1.G5 | length 11.6
  L1 w0.15: U1.G5@49.2,76.2 49.7,75.7 50.5,75.7 50.7,75.9 50.7,78.5 50.9,78.7 54.5,78.7
  L1 w0.3: 54.5,78.7 57.4,78.7 TP29.1@57.7,78.4
$1I89\$1N3664: TP38.1 U1.AM1 | length 5.7
  L1 w0.25: U1.AM1@53.2,101.2 56.1,104.1 TP38.1@57.7,104.1
$1I89\$1N3665: TP42.1 U1.AG2 | length 6.7
  L1 w0.15: U1.AG2@52.2,96.2 52.7,96.7 55.3,96.7
  L1 w0.3: 55.3,96.7 TP42.1@57.7,99.1
$1I89\$1N3666: TP50.1 U1.AG4 | length 14
  L1 w0.15: v2(50.7,92.7) 50.7,91.9 50.9,91.7 55.3,91.7
  L1 w0.3: 55.3,91.7 TP50.1@57.7,94.1
  L1 w0.45: U1.AG4@50.2,96.2 v2(50.7,96.7)
  L4 w0.15: v2(50.7,92.7) 50.2,93.2 50.2,96.2 v2(50.7,96.7)
$1I89\$1N3667: TP46.1 U1.AH3 | length 14.8
  L1 w0.3: TP46.1@57.7,101.6 59,102.9 v1(59.1,102.9)
  L1 w0.45: U1.AH3@51.2,97.2 v2(51.7,97.7)
  L4 w0.15: v2(51.7,97.7) 51.2,98.2 51.2,101 51.6,101.4 52.7,101.4 53,101.7 57.9,101.7 v1(59.1,102.9)
$1I89\$1N3668: TP39.1 U1.AT32
$1I89\$1N3669: TP43.1 U1.AR27 | length 5.8
  L1 w0.15: 26.7,106.5 26.7,104.7 U1.AR27@27.2,104.2
  L1 w0.25: 26.7,106.5 26.7,109.263 TP43.1@27.1,109.6
$1I89\$1N3670: TP51.1 U1.AN27 | length 13
  L1 w0.15: v2(30.7,102.7) 31.5,102.7 31.7,102.9 31.7,106.4
  L1 w0.25: 31.7,106.4 31.7,109.1 TP51.1@32.1,109.5
  L1 w0.45: v2(26.7,102.7) U1.AN27@27.2,102.2
  L4 w0.15: v2(26.7,102.7) 27.2,102.2 30.2,102.2 v2(30.7,102.7)
$1I89\$1N3671: TP47.1 U1.AP28 | length 17.6
  L1 w0.25: v1(20.5,111.1) 23.044,111.1 TP47.1@24.6,109.6
  L1 w0.45: v2(25.7,103.7) U1.AP28@26.2,103.2
  L4 w0.15: v1(20.5,111.1) 20.7,110.9 20.7,106 22,104.7 22,103.6 22.4,103.2 25.2,103.2 v2(25.7,103.7)
$1I89\$1N3672: TP40.1 U1.E36 | length 5.1
  L1 w0.25: TP40.1@13.6,73.1 17.1,73.1 U1.E36@18.2,74.2
$1I89\$1N3673: TP44.1 U1.K35 | length 6
  L1 w0.15: 16.9,78.7 18.7,78.7 U1.K35@19.2,79.2
  L1 w0.3: TP44.1@13.7,78.1 16.3,78.1 16.9,78.7
$1I89\$1N3674: TP52.1 U1.K33 | length 8
  L1 w0.15: 16.9,83.7 20.5,83.7 20.7,83.5 v2(20.7,82.7)
  L1 w0.3: TP52.1@13.7,83.3 14.1,83.7 16.9,83.7
$1I89\$1N3675: TP48.1 U1.J34 | length 16.6
  L1 w0.3: v1(12.3,72.5) 12.3,74.2 TP48.1@13.7,75.6
  L1 w0.45: v2(19.7,77.7) U1.J34@20.2,78.2
  L4 w0.15: v1(12.3,72.5) 12.5,72.7 17.4,72.7 18.7,74 19.8,74 20.2,74.4 20.2,77.2 v2(19.7,77.7)
$1I89\$1N3676: TP41.1 U1.A5 | length 5.1
  L1 w0.25: U1.A5@49.2,70.2 49.75,69.65 49.75,65.75 TP41.1@50.1,65.6
$1I89\$1N3677: TP45.1 U1.B10 | length 6
  L1 w0.15: U1.B10@44.2,71.2 44.7,70.7 44.7,68.9
  L1 w0.3: 44.7,68.9 45.141,68.459 TP45.1@45.141,65.604
$1I89\$1N3678: TP53.1 U1.D10 | length 13.3
  L1 w0.15: 39.7,69 39.7,72.5 39.9,72.7 v2(40.7,72.7)
  L1 w0.3: 39.7,69 39.7,66 TP53.1@40.1,65.6
  L1 w0.45: U1.D10@44.2,73.2 v2(44.7,72.7)
  L4 w0.15: v2(40.7,72.7) 41.2,73.2 44.2,73.2 v2(44.7,72.7)
$1I89\$1N3679: TP49.1 U1.C9 | length 16.7
  L1 w0.3: TP49.1@47.641,65.604 48.9,64.344 48.9,64.3 v1(50.9,64.3)
  L1 w0.45: U1.C9@45.2,72.2 v2(45.7,71.7)
  L4 w0.15: v2(45.7,71.7) 46.2,72.2 49,72.2 49.4,71.8 49.4,70.7 50.7,69.4 50.7,64.5 v1(50.9,64.3)
$1I89\$1N3734: R30.2 TP81.1 U1.D12 | length 10.8
  L1 w0.15: 41.7,69 41.7,71.5 41.9,71.7 42.5,71.7 42.7,71.9 v2(42.7,72.7)
  L1 w0.3: 41.7,69 42.6,68.1 TP81.1@42.6,65.6 42.6,64.3 R30.2@42.2,63.9
  L1 w0.45: U1.D12@42.2,73.2 v2(42.7,72.7)
$1I89\$1N3735: R29.2 TP80.1 U1.M33 | length 10.8
  L1 w0.15: 16.9,81.7 19.5,81.7 19.7,81.5 19.7,80.9 19.9,80.7 v2(20.7,80.7)
  L1 w0.3: R29.2@12,81.4 12.6,80.8 TP80.1@13.7,80.8 16,80.8 16.9,81.7
  L1 w0.45: v2(20.7,80.7) U1.M33@21.2,81.2
$1I89\$1N3736: R28.2 TP79.1 U1.AN25 | length 10.3
  L1 w0.15: v2(28.7,102.7) 28.7,103.5 28.9,103.7 29.5,103.7 29.7,103.9 29.7,106.5
  L1 w0.25: 29.7,106.5 29.7,109.396 29.648,109.448 29.648,109.452 TP79.1@29.6,109.5 29.6,110.8 R28.2@30.1,111.3
  L1 w0.45: v2(28.7,102.7) U1.AN25@29.2,102.2
$1I89\$1N3737: R27.2 TP78.1 U1.AE4 | length 11.6
  L1 w0.15: U1.AE4@50.2,94.2 50.7,94.7 51.5,94.7 51.7,94.5 51.7,93.9 51.9,93.7 54.8,93.7
  L1 w0.3: 54.8,93.7 TP78.1@57.7,96.6 58.8,96.6 R27.2@59.4,96
$1I89\ANAVDD_PLL_1: C148.1 C149.1 FB1.2 U1.AF5 | length 19.7
  L1 w0.15: v2(50.7,89.7) 51.5,89.7 51.7,89.5 51.7,88.9 51.9,88.7 54.8,88.7
  L1 w0.3: 54.8,88.7 56.6,86.9 60.5,86.9 FB1.2@60.8,87.2
  L1 w0.45: U1.AF5@49.2,95.2 v2(49.7,95.7)
  L4 w0.15: v2(49.7,95.7) 49.2,95.2 49.2,90.4 49.4,90.2 50.2,90.2 v2(50.7,89.7)
$1I89\ANAVDD_PLL_2: C150.1 C151.1 FB3.2 U1.AM26 | length 19.6
  L1 w0.15: v2(33.7,102.7) 33.7,103.5 33.9,103.7 34.5,103.7 34.7,103.9 34.7,106.4
  L1 w0.25: 34.7,106.4 36.4,108.1 C151.1@36.4,109.3 C150.1@36.4,110.9 36.1,111.2 FB3.2@36.1,112.7
  L1 w0.45: v2(27.7,101.7) U1.AM26@28.2,101.2
  L4 w0.15: v2(27.7,101.7) 28.2,101.2 33,101.2 33.2,101.4 33.2,102.2 v2(33.7,102.7)
$1I89\ANAVDD_PLL_3: C152.1 C153.1 FB2.2 U1.L32 | length 11.4
  L1 w0.15: 16.9,86.7 19.5,86.7 19.7,86.5 19.7,86 20,85.7 v2(20.7,85.7)
  L1 w0.3: C152.1@14.1,88.2 15.4,88.2 16.9,86.7
  L1 w0.5: FB2.2@10.7,88.3 10.7,88.2 C153.1@12.5,88.2 C152.1@14.1,88.2
$1I89\ANAVDD_PLL_4: C154.1 C155.1 FB4.2 U1.E11 | length 19.6
  L1 w0.15: 36.7,68.9 36.7,71.5 36.9,71.7 37.5,71.7 37.7,71.9 v2(37.7,72.7)
  L1 w0.3: C154.1@35,66.1 36.7,67.8 36.7,68.9
  L1 w0.45: U1.E11@43.2,74.2 v2(43.7,73.7)
  L1 w0.5: FB4.2@34.9,62.7 35,62.7 C155.1@35,64.5 C154.1@35,66.1
  L4 w0.15: v2(37.7,72.7) 38.2,73.2 38.2,74 38.4,74.2 43.2,74.2 v2(43.7,73.7)
$1I89\JTG_TRST_L_11: R20.1 U1.AR12 | length 5.4
  L1 w0.15: U1.AR12@42.2,104.2 42.7,104.7 42.7,106.4
  L1 w0.25: 42.7,106.4 42.7,109.3 R20.1@42.8,109.3
$1I89\JTG_TRST_L_12: R39.1 U1.AE35 | length 5.5
  L1 w0.15: 16.9,94.7 18.7,94.7 U1.AE35@19.2,94.2
  L1 w0.25: R39.1@14.1,94.6 14,94.7 16.9,94.7
$1I89\JTG_TRST_L_13: R38.1 U1.B25 | length 5.7
  L1 w0.15: 28.7,69 28.7,70.7 U1.B25@29.2,71.2
  L1 w0.25: R38.1@28.6,66.1 28.7,65.9 28.7,69
$1I89\JTG_TRST_L_14: R40.1 U1.M2 | length 5.7
  L1 w0.15: U1.M2@52.2,81.2 52.7,80.7 54.9,80.7
  L1 w0.25: 54.9,80.7 57.5,80.7 R40.1@57.4,80.5
$1I89\PLL_BYPASS_IN_11: R3.1 U1.AH1 | length 7.5
  L1 w0.3: U1.AH1@53.2,97.2 56.4,100.4 R3.1@59.4,100.4
$1I89\PLL_BYPASS_IN_12: R19.1 U1.AT28 | length 6.3
  L1 w0.25: R19.1@25.8,111.3 25.8,105.6 U1.AT28@26.2,105.2
$1I89\PLL_BYPASS_IN_13: R25.1 U1.J36 | length 6.7
  L1 w0.3: R25.1@12,76.9 16.9,76.9 U1.J36@18.2,78.2
$1I89\PLL_BYPASS_IN_14: R36.1 U1.A9 | length 6.8
  L1 w0.3: U1.A9@45.2,70.2 46.4,69 R36.1@46.4,63.9
$1I89\PLL_OSC_CLK_1: Q49.3 R50.2 R51.1 R52.1 R53.1 R54.1 Y2.3 | length 113
  L1 w0.25: R53.1@10.5,69.7 12.2,69.7 13.1,68.8 13.1,67.8 13.8,67.1 14.9,67.1 15.8,66.2 15.8,63.3 17.7,61.4 52.5,61.4 53.4,62.3 R54.1@53.4,62.5 53.4,63.9 54.6,65.1 55.5,65.1 56,65.6 56,66.1 56.9,67 60.3,67 62,68.7 62,107.728 ; 15,108.2 15.8,109 15.8,109.8 16.4,110.4 17.4,110.4 18.6,111.6 R52.1@18.6,112.8
  L1 w0.3: R51.1@60.9,107.6 61.028,107.728 62,107.728 63.405,109.133 64.45,109.133 Y2.3@64.45,109.8 ; Q49.3@71.5,107.95 72.2,107.25
$1I89\PLL_REF_CLK_11: R51.2 U1.AF4 U10.4 | length 26.2
  L1 w0.3: U10.4@57.35,108.35 57.35,108 58.1,108 60.1,106 R51.2@60.9,106 61.2,105.7 v1(61.2,96.3)
  L1 w0.45: U1.AF4@50.2,95.2 v2(50.7,95.7)
  L4 w0.15: v2(50.7,95.7) 51.2,96.2 53.5,96.2 53.8,96.5 61,96.5 v1(61.2,96.3)
$1I89\PLL_REF_CLK_12: R52.2 U1.AN26 U27.4 | length 26.8
  L1 w0.3: U27.4@16.85,109.35 17.55,109.35 19.4,111.2 19.4,111.7 20.2,112.5 R52.2@20.2,112.8 23.598,112.8 23.599,112.801 23.601,112.801 25.099,114.299 v1@27.999,114.299 ; v1@27.999,114.299 v1(28,114.3)
  L1 w0.45: v2(27.7,102.7) U1.AN26@28.2,102.2
  L4 w0.15: v2(27.7,102.7) 27.2,103.2 27.2,105.5 26.9,105.8 26.9,113.2 v1(28,114.3)
$1I89\PLL_REF_CLK_13: R53.2 U1.L33 | length 19.2
  L1 w0.25: v1(10.1,79.2) 10.1,71.7 R53.2@10.55,71.25
  L4 w0.15: v1(10.1,79.2) 10.405,78.9 18,78.9 18.3,79.2 20.2,79.2 v2(20.7,79.7)
$1I89\PLL_REF_CLK_14: R54.2 U1.D11 U29.4 | length 24.7
  L1 w0.3: v1(44.2,62.1) 51.4,62.1 R54.2@51.8,62.5 51.8,63.3 54.55,66.05 U29.4@55.05,66.05
  L1 w0.45: U1.D11@43.2,73.2 v2(43.7,72.7)
  L4 w0.15: v2(43.7,72.7) 44.2,72.2 44.2,70 44.5,69.7 44.5,62.405 v1(44.2,62.1)
$1I89\TEST_MODE_11: R22.1 U1.AN13 | length 8.5
  L1 w0.15: 40.7,106.4 40.7,104.9 40.9,104.7 41.4,104.7 41.7,104.4 41.7,102.7 U1.AN13@41.2,102.2
  L1 w0.25: R22.1@39.6,109.3 39.6,108.2 40.7,107.1 40.7,106.4
$1I89\TEST_MODE_12: R24.1 U1.AD33 | length 8.3
  L1 w0.15: 16.9,91.7 20.5,91.7 20.7,91.9 20.7,92.7 U1.AD33@21.2,93.2
  L1 w0.25: R24.1@14.1,91.4 14.4,91.7 16.9,91.7
$1I89\TEST_MODE_13: R35.1 U1.D24 | length 8.6
  L1 w0.15: U1.D24@30.2,73.2 30.7,72.7 31.5,72.7 31.7,72.5 31.7,68.9
  L1 w0.25: 31.7,68.9 31.7,65.9 R35.1@31.8,66.1
$1I89\TEST_MODE_14: R37.1 U1.N4 | length 8.3
  L1 w0.15: U1.N4@50.2,82.2 50.7,82.7 50.7,83.5 50.9,83.7 54.5,83.7
  L1 w0.25: 54.5,83.7 R37.1@57.4,83.7